# KiCad board FPGA-BOARDver3.kicad_pcb (continued)
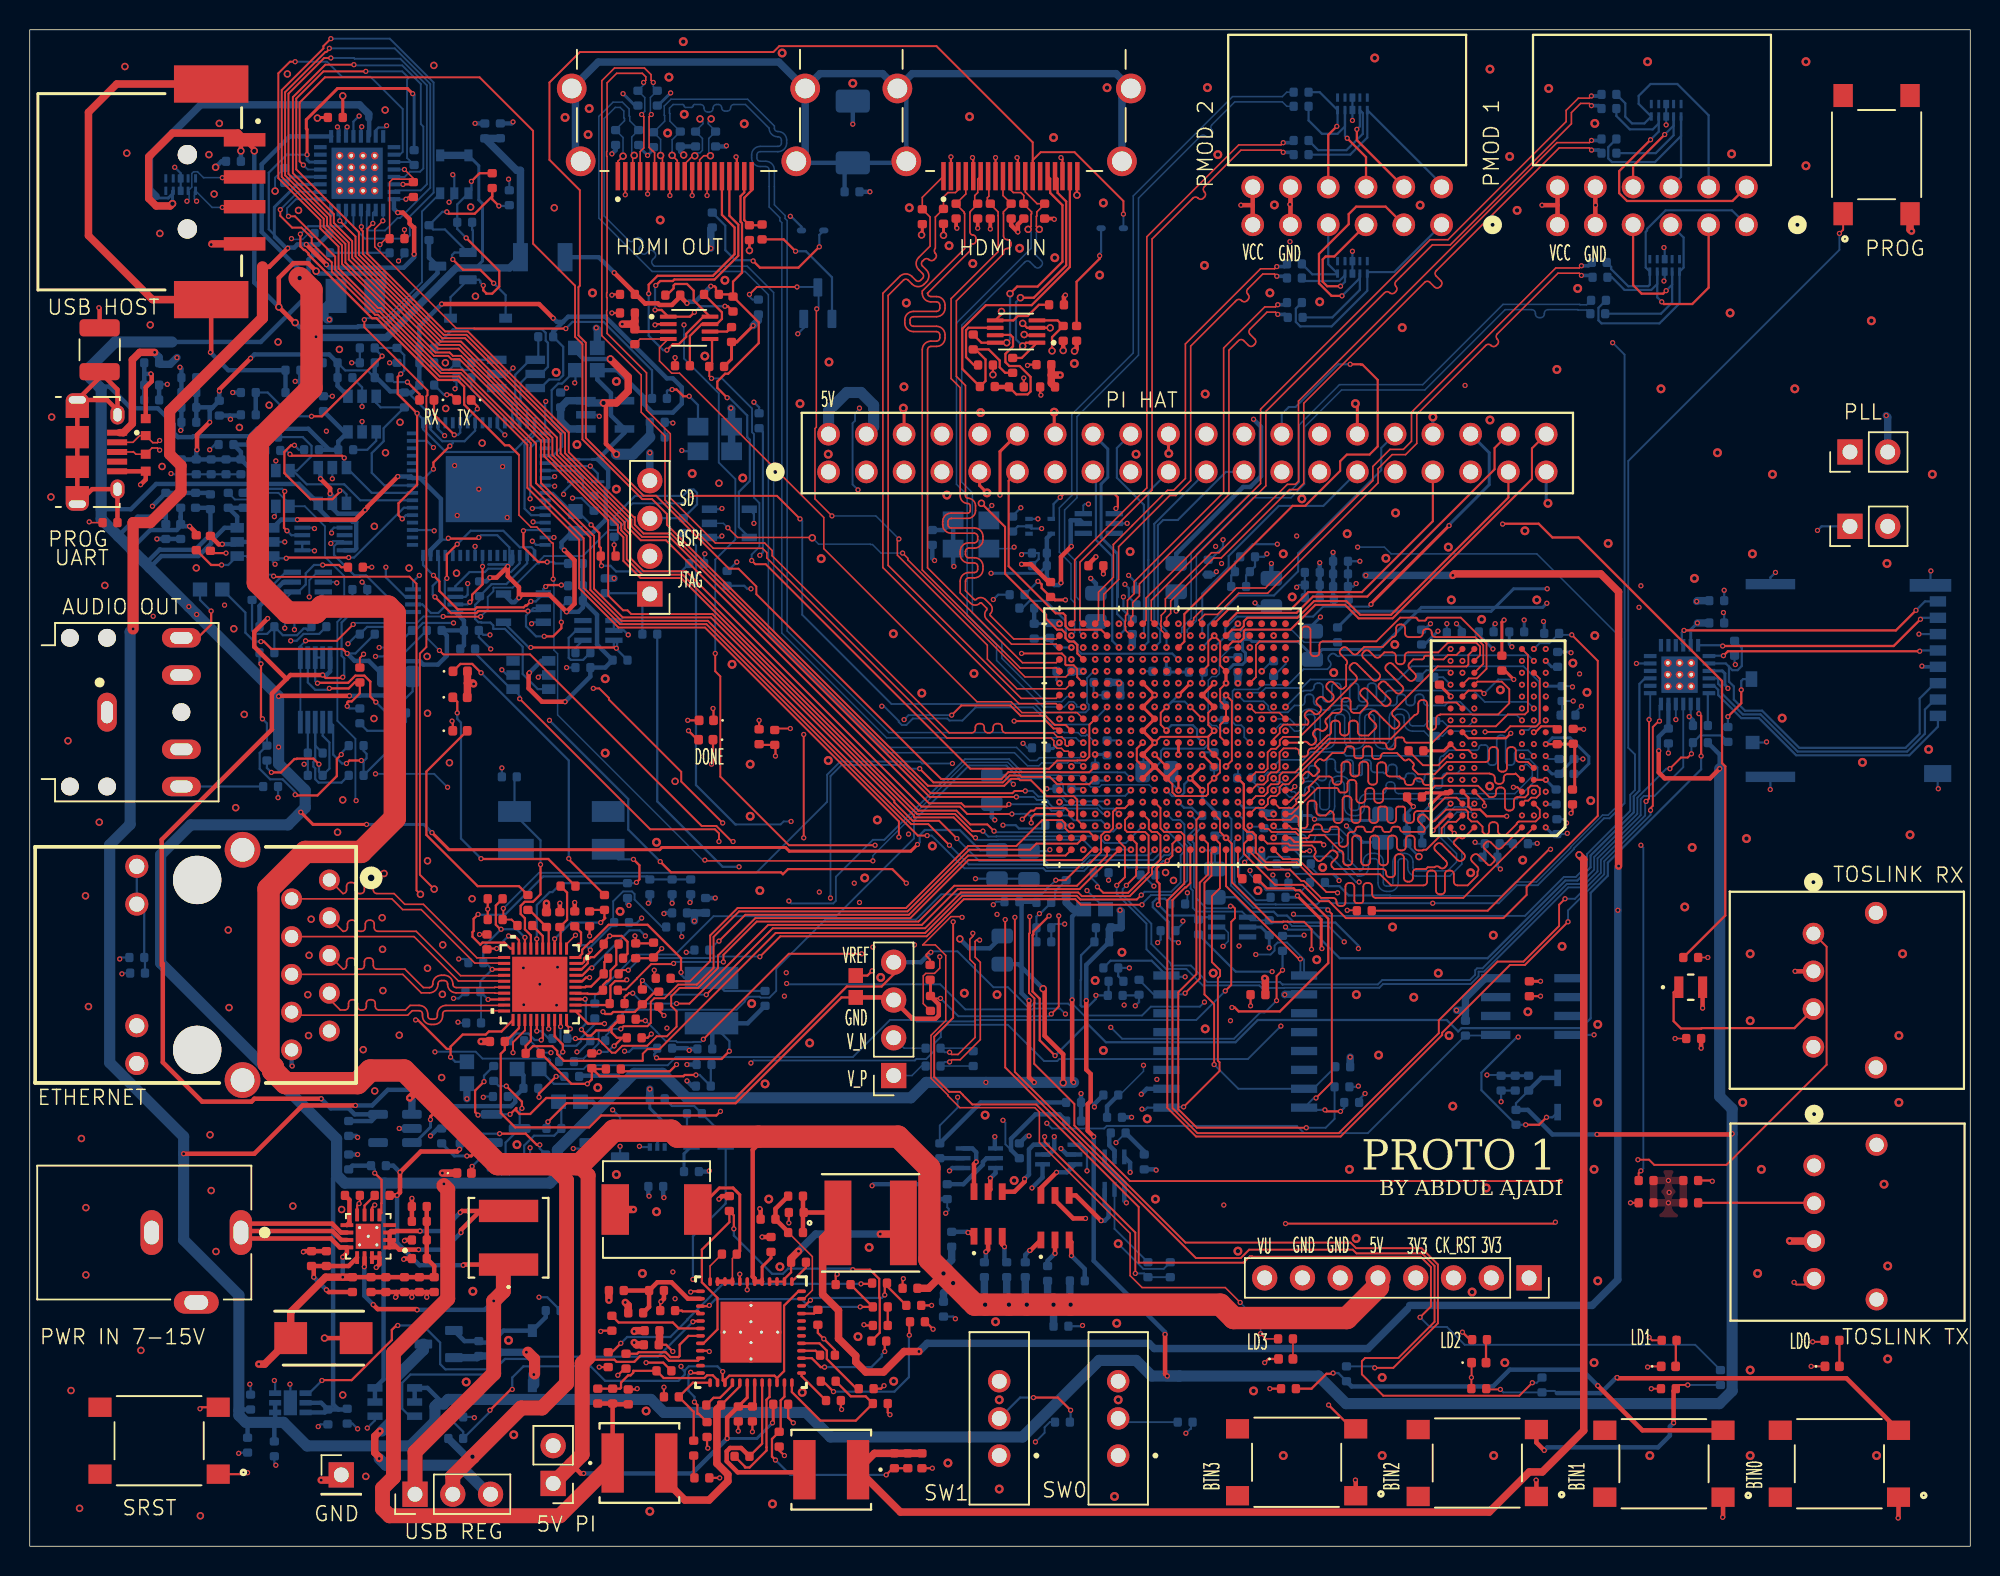
[diagram p0: board, top side]
## Routing (per net, layer and track width the routed paths; a pad name or vN(x,y) marks a point on that pad's centre or on a via; arc(x,y) is an arc through that point) (continued)
  Bottom w0.127: R29.2 78.1,8.25 78.1,7.9 78.05,7.9 v1(77.75,7.6)
SW1: length 195.9
  SIGNAL.Cu w0.126: 50.15,98.8 49.02,99.93
  SIGNAL.Cu w0.127: v1(67.63,7.02) 50.36,7.02 24.39,32.99 24.39,78.8 24.95,79.36 24.95,81.78 24.43,82.29 24.43,88.78 35.58,99.93 49.02,99.93 ; v1(55.8,76.55) 55.8,87.16 50.15,92.81 50.15,98.8 ; v1(55.7,71.05) 57.4,71.05 61.79,66.66 61.79,65.48 67.06,60.2 67.06,59.49 69.47,57.08 69.47,56.25 v1(70.06,55.66)
  Bottom w0.127: v1(55.7,71.05) 55.33,71.42 55.33,75.53 55.5,75.7 55.5,76.2 55.8,76.5 v1(55.8,76.55) ; v1(67.63,7.02) 68.25,7.63 68.25,8 68.6,8.35 R28.2
SYSCLK: length 48.1
  Top w0.127: v1(31.85,42.9) 31.85,42.2 C62.1 32.4,42.15 R171.1
  SIGNAL.Cu w0.127: v1(72.45,52.45) 72.09,52.09 62.61,52.09 v1(62.05,52.65)
  Bottom w0.127: v1(62.05,52.65) 60.01,52.65 59.89,52.78 54.51,52.78 53.62,51.89 53.62,50.07 48.84,45.29 34.24,45.29 v1(31.85,42.9)
TCK: length 94.6
  Top w0.15: v1(58.95,44.6) 58.01,45.54 50.99,45.54 50.65,45.2 50.53,45.32 43.12,45.32 v1(42.4,46.05) ; v1(17.15,70.95) 17.1,70.9 17.1,68.5 v1(17.3,68.3)
  SIGNAL.Cu w0.127: v1(75.85,40.6) 75.8,40.65 71.95,40.65 70.65,39.35 70.5,39.35 70.46,39.31 64.66,39.31 64.41,39.06 60.49,39.06 59.8,39.75 59.8,40.15 v1(59.5,40.45) ; v1(17.3,68.3) 13.34,68.3 12.54,67.5 12.54,63.86 v1(13.1,63.3)
  SIGNAL2.Cu w0.127: v1(58.95,44.6) 58.95,44.4 59.5,43.85 v1(59.5,40.45) ; v1(34.95,55.55) 30.92,55.55 27.4,59.06 22.35,59.06 22.34,59.08 20.12,59.08 19.74,59.46 17.49,59.46 13.65,63.3 v1(13.1,63.3)
  Bottom w0.15: v1(17.15,70.95) 16.98,71.12 14.62,71.12 R231.1 ; v1(34.95,55.55) 40.25,50.25 40.25,48.2 v1(42.4,46.05) ; U46.3 17.6,68 v1(17.3,68.3) ; v1(75.85,40.6) 76.05,40.8 R120.2
TDI: length 73.9
  SIGNAL.Cu w0.127: 46.25,46.47 48.53,46.47 51.36,43.64 53.29,43.64 53.61,43.96 55.14,43.96 v1(55.8,43.3) ; v1(77.25,40.6) 77.25,40.05 74.01,40.05 73.64,40.41 72.71,40.41 71.27,38.97 68.39,38.97 68.02,38.6 60.53,38.6 60.11,39.03 59.59,39.03 59.34,39.28 59.34,39.79 58.61,40.52 56.92,40.52 v1(56.7,40.3)
  SIGNAL.Cu w0.15: 46.25,46.47 36.3,56.42 34.92,56.42 v1(31,60.35) ; v1(30.95,61.3) 30.97,61.3 31.82,62.15 32.05,62.15 32.05,63.05 30.5,64.6 30.2,64.6 29.85,64.95 29.55,64.95 29.45,64.85 v1(29.45,64.75)
  SIGNAL2.Cu w0.127: v1(56.7,40.3) 55.65,41.35 55.65,42.75 55.8,42.9 v1(55.8,43.3)
  Bottom w0.15: R119.2 76.34,43.56 75.78,43.56 75.52,43.31 75.52,42.99 76.42,42.1 76.5,42.1 76.6,42 76.6,40.95 76.85,40.7 77.15,40.7 v1(77.25,40.6) ; U47.6 29.31,63.85 29.45,64 v1(29.45,64.75) ; v1(30.95,61.3) 30.5,61.3 R232.1 30.2,61.15 v1(31,60.35)
TDO: length 89.9
  Top w0.127: v1(46.35,47.4) 46.35,47.95 46.08,48.22 41.73,48.22 v1(32.95,57)
  SIGNAL2.Cu w0.127: v1(46.35,47.4) 46.55,47.2 46.55,46.05 46.74,45.86 46.74,43.34 47.24,42.84 47.24,33.76 v1(48.5,32.5) ; v1(83.6,45.15) 83.6,44.41 86.06,41.95 86.06,40.63 84.8,39.36 84.8,35.65 v1(84.14,34.99)
  Bottom w0.126: 61.27,34.25 61.26,34.25 60.8,33.79 60.8,33.29 60.29,32.77 59.62,32.77 59.52,32.67
  Bottom w0.127: U45.4 32.95,57.2 v1(32.95,57) ; 59.52,32.67 48.67,32.67 v1(48.5,32.5) ; v1(84.14,34.99) 81.92,32.77 69.23,32.77 69.1,32.64 68.21,32.64 65.78,35.07 61.67,35.07 61.27,34.68 61.27,34.25
  Bottom w0.15: R230.1 29.95,60.08 32.38,57.65 U45.4 ; v1(83.6,45.15) 83.65,45.1 R121.2
TMS: length 100.3
  Top w0.127: v1(27.55,60.25) 27.81,59.99 33.65,59.99 45.19,48.45 46.17,48.45 47.22,47.4 v1(47.3,47.4) ; v1(84.25,38.75) 83.85,38.35 v1(83.85,36.7)
  SIGNAL.Cu w0.15: v1(72.7,34.9) 71.8,35.8 v1(69.65,35.8) ; v1(23.25,59.85) 20.28,62.82 20.28,66.02 19.75,66.55 19.75,68.35 20,68.6 22,68.6 23.95,66.65 v1(23.95,65.85)
  SIGNAL2.Cu w0.127: v1(50.9,37.85) 50.39,37.85 47.77,40.46 47.77,43.98 47.3,44.45 v1(47.3,47.4)
  Bottom w0.127: v1(27.55,60.25) 26.7,61.1 R233.1 ; v1(50.9,37.85) 50.95,37.8 61.23,37.8 62.92,36.11 67.44,36.11 67.5,36.16 69.29,36.16 v1(69.65,35.8) ; v1(83.85,36.7) 83.05,35.9 82.75,35.9 80.99,34.14 73.46,34.14 v1(72.7,34.9)
  Bottom w0.15: U47.3 25.26,63.85 23.95,65.17 v1(23.95,65.85) ; R233.1 24.95,59.85 v1(23.25,59.85) ; v1(84.25,38.75) R118.2
UART_RXD: length 116.8
  Top w0.127: v1(80.75,43.05) 80.9,43.05 81.05,42.9 81.05,42.25 80.8,42 80.8,37.75 v1(80.4,37.35)
  SIGNAL2.Cu w0.127: v1(27.25,33.25) 27.25,43.46 23.01,47.7 23.01,49.09 v1(21.95,50.15)
  Bottom w0.127: v1(27.25,33.25) 27.26,33.26 29.99,33.26 30.45,32.8 34.9,32.8 35,32.7 35,32.4 35.3,32.1 37.24,32.1 37.49,32.35 42.9,32.35 43.45,32.9 55.35,32.9 57.85,35.4 59.55,35.4 59.65,35.3 63.5,35.3 63.6,35.4 78.45,35.4 v1(80.4,37.35) ; v1(80.75,43.05) 80.61,42.91 79.12,42.91 78.44,43.59 78.44,44.19 78.29,44.34 78.29,47.28 78.2,47.38 78.2,47.75 78.75,48.3 78.75,48.35 v1(78.86,48.46) ; R224.1 13.79,70.41 14.65,70.41 15.09,70.85 16.72,70.85 17.5,70.07 U42.4 18.5,69.95 19.85,68.6 19.85,66.55 21.15,65.25 21.15,62.64 20.69,62.17 20.69,55.52 21.9,54.31 21.9,50.2 v1(21.95,50.15)
UART_TXD: length 114
  Top w0.127: v1(16.4,65.25) 16.45,65.2 22.19,65.2 22.2,65.21 25.54,65.21 26.01,64.74 26.01,44.12 v2(26.28,43.85)
  Top w0.15: v1(12.9,66) 12.2,66 R221.1
  SIGNAL.Cu w0.127: v2(26.28,43.85) 26.24,43.81 26.24,35.96 30,32.2 42.49,32.2 49.74,39.45 56.84,39.45 57.68,40.29 58.52,40.29 59.11,39.7 59.11,39.19 59.5,38.8 60.01,38.8 60.76,38.05 62.76,38.05 62.83,37.98 67.72,37.98 68.48,38.74 73.28,38.74 73.8,39.26 77.2,39.26 80.39,42.45 80.39,43.2 80.9,43.71 80.9,46.79 81.62,47.5 81.62,48.08 v1(81.25,48.45)
  Bottom w0.127: v1(16.4,65.25) 16.3,65.35 15.8,65.35 14.55,66.6 U39.4
  Bottom w0.15: U39.4 13.35,66 v1(12.9,66)
USB_SHIELD: length 38
  Top w0.3: J15.S2 12.2,80.35 v1(12.15,80.3)
  Top w0.5: J15.S2 8.25,83.85 3.95,88.15 3.95,96.45 5.85,98.35 J15.S1
  Bottom w0.3: R198.1 C181.1 13.35,79.1 v1(12.15,80.3)
USB_VCC5V0: length 16.3
  Top w0.15: C182.2 30.25,92.35 v1(29.7,91.8) ; v1(29.35,88) 31.58,85.77 31.58,84.72 31.1,84.25 30.7,84.25 30.7,84.27 30.5,84.47 v1(30.5,84.8)
  Bottom w0.15: v1(29.35,88) 28.75,88.6 R200.1 28.75,90.25 U25.1 29.7,91.2 v1(29.7,91.8) ; CR3.1 28.3,84.01 Q10.2 30.22,85.18 30.3,85.1 30.3,85 v1(30.5,84.8)
USBHOST_CLK: length 104.8
  Top w0.127: v1(61.85,47.15) 60.43,48.57 59.28,48.57 45.6,62.25 39.78,62.25 37.7,64.33 37.7,67.85 34.05,71.5 34.05,74.16 29.07,79.14 27.76,79.14 23.61,83.29 23.43,83.29 20.77,85.95 20.77,87.41 19.54,88.64 19.54,89.19 16.72,92.02 16.72,99.07 17.5,99.85 v1(17.85,99.85)
  Bottom w0.127: U26.26 24.9,93.6 25.08,93.78 25.08,96.67 22.91,98.84 21,98.84 19.99,99.85 v1(17.85,99.85) ; v1(61.85,47.15) 63.14,45.86 68.22,45.86 68.43,45.65 70.81,45.65 71.31,46.15 75.55,46.15 76.24,46.84 v1(76.46,46.84)
USBHOST_DATA0: length 111.8
  Top w0.127: v1(20.15,100.75) 20.15,100.7 19.95,100.5 19.88,100.5 17.17,97.79 17.17,92.21 20,89.38 20,88.83 21.23,87.59 21.23,86.34 27.28,80.29 28.24,80.29 28.46,80.06 29,80.06 34.61,74.46 34.61,73.3 38.9,69.01 38.9,63.95 39.9,62.95 40.2,62.95 40.45,62.7 45.91,62.7 59.47,49.14 59.47,49.02 62.13,49.02 63.51,47.65 v1(63.6,47.65)
  Bottom w0.127: v1(74.06,46.86) 71.5,46.86 70.84,47.52 65.11,47.52 65.09,47.51 63.74,47.51 v1(63.6,47.65) ; U26.3 22.66,89.77 22.66,88.64 22.8,88.5 23.9,88.5 24.74,89.34 24.9,89.34 26.93,91.37 26.93,98.36 24.54,100.75 v1(20.15,100.75)
USBHOST_DATA1: length 70.7
  Top w0.127: v1(66.35,50.4) 60.51,50.4 43.03,67.89 41.19,67.89 40.46,68.62 40.46,69.06 36,73.51 36,74.85 29.37,81.48 27.84,81.48 22.4,86.92 22.4,88.45 22.3,88.55 v1(22.3,88.75)
  Bottom w0.127: v1(66.35,50.4) 67.53,50.4 67.73,50.2 68.4,50.2 68.5,50.1 68.5,50 68.8,49.7 69.39,49.7 69.54,49.85 71.9,49.85 72.13,49.61 72.89,49.61 v1(73.24,49.27) ; v1(22.3,88.75) 22.3,89.84 U26.4
USBHOST_DATA2: length 118.2
  Top w0.127: v1(62.35,47.6) 61.15,48.8 59.38,48.8 58.14,50.03 58.14,50.14 45.81,62.47 39.88,62.47 37.95,64.4 37.95,67.95 34.38,71.52 34.38,74.36 28.91,79.84 28.37,79.84 28.14,80.06 27.19,80.06 21,86.25 21,87.5 19.77,88.73 19.77,89.29 16.95,92.11 16.95,97.94 19.75,100.74 19.75,100.9 v1(20.25,101.4)
  Bottom w0.127: v1(20.25,101.4) 24.21,101.4 27.16,98.45 27.16,91.05 25.56,89.45 25.56,88.16 25.35,87.95 22.55,87.95 21.77,88.73 U26.5 ; v1(62.35,47.6) 63.86,46.09 68.31,46.09 68.52,45.88 70.71,45.88 71.31,46.47 75.27,46.47 v1(75.65,46.86)
USBHOST_DATA3: length 93.2
  Top w0.1: 32.9,73.4 32.9,69.36 33.71,68.55 34.1,68.55 34.9,67.75 34.9,67.71 35.11,67.5 35.15,67.5 35.2,67.45 v1(35.2,65.05) ; v1(56.7,46.1) 45.45,46.1 v1(45.4,46.15) ; 32.25,74.05 32.2,74.05
  Top w0.15: 32.2,74.05 31.95,74.05 29.22,76.79 29.22,78 28.77,78.44 27.47,78.44 23.32,82.59 23.03,82.59 18.75,86.87 18.75,86.95 18.52,87.18 18.44,87.18 18.2,87.43 v1(18.2,88.25) ; 32.9,73.4 32.25,74.05
  Bottom w0.1: v1(75.65,50.84) 75.28,51.21 73.1,51.21 73.1,51.21 72.09,51.21 71.94,51.07 71.36,51.07 70.58,51.84 69.2,51.84 69.18,51.86 66.64,51.86 65.77,52.73 62.98,52.73 56.7,46.44 v1(56.7,46.1) ; v1(35.2,65.05) 35.25,65 35.25,60.28 35.5,60.03 35.5,55.91 45.26,46.15 v1(45.4,46.15)
  Bottom w0.15: v1(18.2,88.25) 18.73,88.78 20.42,88.78 20.43,88.77 21.01,88.77 21.27,89.04 U26.6
USBHOST_DATA4: length 71.9
  Top w0.127: v1(20.85,89.15) 21.91,88.09 21.91,86.76 27.64,81.03 29,81.03 35.45,74.58 35.45,73.42 40.01,68.87 40.01,68.43 40.4,68.03 40.4,66.46 41.28,65.58 44.15,65.58 59.98,49.75 62.55,49.75 63.05,49.25 v1(66.05,49.25)
  Bottom w0.127: v1(66.05,49.25) 66.59,49.25 66.6,49.26 67.09,49.26 67.2,49.15 69.89,49.15 70.21,48.83 72.05,48.83 v1(72.44,48.44) ; U26.7 20.85,89.79 v1(20.85,89.15)
USBHOST_DATA5: length 86
  Top w0.127: v1(60.35,47.8) 59.73,47.8 45.51,62.02 39.69,62.02 37.25,64.46 37.25,67.8 33.69,71.36 33.69,74.19 28.97,78.91 27.66,78.91 23.51,83.06 23.34,83.06 20.54,85.86 20.54,86.74 17.84,89.45 v1(17.4,89.45)
  Bottom w0.127: v1(77.25,46.85) 76.95,46.85 76.82,46.72 76.82,46.69 76.61,46.48 76.28,46.48 75.45,45.65 73.85,45.65 73.7,45.8 71.28,45.8 70.9,45.42 68.34,45.42 68.16,45.6 62.86,45.6 60.66,47.8 v1(60.35,47.8) ; v1(17.4,89.45) 17.3,89.55 17.3,90 17.9,90.6 U26.9
USBHOST_DATA6: length 85.8
  Top w0.127: v1(16.85,89.9) 16.85,89.49 17.65,88.69 18.27,88.69 18.96,88 18.96,87.64 20.04,86.56 20.1,86.56 20.31,86.35 20.31,85.74 23.22,82.83 23.42,82.83 27.57,78.68 28.87,78.68 33.47,74.08 33.47,71.18 36.95,67.7 36.95,64.44 39.59,61.79 45.41,61.79 58.45,48.76 v1(58.45,47.7)
  SIGNAL.Cu w0.127: v1(74.84,50.06) 74.46,49.68 67.02,49.68 66.39,49.05 66.39,48.86 65.2,47.67 65.2,47.6 64.85,47.25 62.64,47.25 62.03,46.64 59.36,46.64 58.45,47.55 v1(58.45,47.7)
  Bottom w0.127: v1(16.85,89.9) 18.05,91.1 U26.10
USBHOST_DATA7: length 91.7
  Top w0.127: v1(18.4,92.9) 18.15,93.15 18.15,97.1 19.85,98.8 30.25,98.8 33.85,95.2 33.85,87.61 36.67,84.79 36.67,81.35 37.17,80.85 37.17,74.45 41.19,70.43 41.85,70.43 42.85,69.43 42.85,68.71 60.41,51.15 65.54,51.15 66,51.61 66.51,51.61 66.6,51.52 67.33,51.52 68.04,50.81 68.04,50.8 68.39,50.45 70.2,50.45 70.44,50.21 70.44,48.86 U1.C18
  Bottom w0.127: v1(18.4,92.9) 18.7,92.6 U26.13
USBHOST_DIR: length 105
  Top w0.127: v1(64.1,48.1) 63.38,48.1 62.23,49.25 59.68,49.25 43.81,65.12 41.08,65.12 39.92,66.28 39.92,67.87 39.55,68.24 39.55,68.68 34.89,73.34 34.89,74.49 28.83,80.55 27.45,80.55 21.45,86.55 21.45,87.69 20.22,88.92 20.22,89.48 17.4,92.3 17.4,97.7 19.8,100.1 v1(20.25,100.1)
  Bottom w0.127: U26.31 24.59,91.19 26.29,91.19 26.71,91.61 26.71,98.26 24.92,100.05 21.85,100.05 21.8,100.1 v1(20.25,100.1) ; v1(74.85,48.45) 73.7,47.3 72.3,47.3 71.85,47.75 65.01,47.75 65,47.74 64.46,47.74 v1(64.1,48.1)
USBHOST_N: length 24.6
  Top w0.104: v1(12.95,92.05) 13,92.1 J15.02
  SIGNAL2.Cu w0.104: 21.2,94.55 21.2,95.31 v1(21.34,95.46)
  SIGNAL2.Cu w0.11: v1(10.57,90.47) 10.72,90.32 10.72,89.83 11.88,88.67 18.73,88.67 19.63,89.57 19.63,92.97 21.2,94.54 21.2,95.31 v1(21.34,95.46)
  Bottom w0.1: 11.05,92.45 11.02,92.45 10.9,92.33 10.9,91.41 U35.2
  Bottom w0.104: v1(10.57,90.47) 10.72,90.62 10.72,90.95 10.72,90.95 10.72,91.09 U35.2 ; U26.19 21.2,94.9 21.2,95.31 v1(21.34,95.46) ; v1(12.95,92.05) 11.68,92.05 11.28,92.45 11.05,92.45
USBHOST_NXT: length 69.4
  Top w0.127: v1(23.08,88.97) 22.7,88.6 22.7,86.94 27.93,81.71 29.46,81.71 36.25,74.92 36.25,73.59 40.62,69.21 40.69,69.21 40.69,68.71 41.28,68.12 43.12,68.12 60.59,50.65 66.09,50.65 66.24,50.8 v1(66.95,50.8)
  Bottom w0.127: U26.2 23.08,89.68 v1(23.08,88.97) ; v1(66.95,50.8) 67.45,50.8 67.83,50.42 69.39,50.42 69.72,50.1 72.4,50.1 v1(72.45,50.05)
USBHOST_OC: length 126.8
  Top w0.127: v1(22.5,82.5) 22.5,81.99 26.75,77.74 26.75,77.43 26.67,77.35 26.67,60.48 26.24,60.04 26.24,45.16 v2(27.2,44.2)
  SIGNAL.Cu w0.127: v1(80.45,48.45) 80.5,48.45 80.85,48.1 80.85,47.06 80.67,46.88 80.67,44.37 77.35,41.05 71.77,41.05 70.93,40.21 70.75,40.21 70.08,39.54 62.61,39.54 62.52,39.45 61.51,39.45 61.35,39.29 60.75,39.29 60.24,39.8 60.24,40.51 59.63,41.12 51.09,41.12 42.39,32.43 30.12,32.43 27.2,35.35 v2(27.2,44.2)
  Bottom w0.127: U25.3 26.38,89.78 26.38,85.03 24,82.65 23.65,82.65 23.6,82.6 22.6,82.6 v1(22.5,82.5)
USBHOST_P: length 22.1
  Top w0.104: J15.03 14.4,90.05 v1(12.95,90.05)
  Top w0.127: J15.03 14.35,90.1
  SIGNAL2.Cu w0.104: 20.84,94.69 20.84,95.31 v1(20.69,95.46)
  SIGNAL2.Cu w0.11: v1(11.22,90.47) 11.08,90.32 11.08,89.98 12.02,89.03 18.58,89.03 19.27,89.72 19.27,93.12 20.84,94.69 20.84,95.31 v1(20.69,95.46)
  Bottom w0.104: U26.18 20.84,94.9 20.84,95.31 v1(20.69,95.46) ; v1(11.22,90.47) 11.07,90.62 11.07,90.81 11.08,90.82 11.08,91.09 U35.1 12.27,90.05 v1(12.95,90.05)
USBHOST_RCLK: length 27.1
  Top w0.1: v1(23.75,89.15) 23.2,88.6 23.2,87.41 28.68,81.92 29.88,81.92 29.9,81.9
  Top w0.15: 29.9,81.9 v1(36.05,81.9)
  Bottom w0.1: U26.1 23.77,89.17 v1(23.75,89.15)
  Bottom w0.15: 41.85,77.15 41.85,79.09 38.59,82.35 36.5,82.35 v1(36.05,81.9)
USBHOST_RESETN: length 95.5
  Top w0.127: v1(65.85,49.9) 65.7,49.75 62.87,49.75 62.65,49.97 60.48,49.97 42.79,67.66 41.09,67.66 40.23,68.52 40.23,68.96 35.7,73.49 35.7,74.83 29.27,81.25 27.75,81.25 22.14,86.86 22.14,88.39 17.92,92.61 17.92,97.37 19.75,99.2 v1(22.6,99.2)
  Bottom w0.127: v1(65.85,49.9) 65.86,49.91 68.27,49.91 68.71,49.47 69.49,49.47 69.64,49.62 71.8,49.62 72.08,49.35 72.17,49.25 v1(72.45,49.25) ; U26.27 25.65,93.1 R203.1 25.38,93.37 25.38,98.65 25.49,98.76 25.05,99.2 v1(22.6,99.2)
USBHOST_STP: length 100.1
  Top w0.127: v1(21.8,99.65) 19.88,99.65 17.7,97.47 17.7,92.35 20.45,89.6 20.45,89.01 21.68,87.78 21.68,86.67 27.55,80.8 28.91,80.8 35.15,74.56 35.15,73.4 39.78,68.77 39.78,68.33 40.15,67.96 40.15,66.39 41.19,65.35 43.9,65.35 59.77,49.48 62.32,49.48 63.25,48.55 64.4,48.55 v1(64.85,48.1)
  Bottom w0.127: U26.29 25.21,92.1 25.56,92.45 26.25,92.45 26.47,92.67 26.47,95.49 26.3,95.66 26.3,98.35 25.05,99.6 21.85,99.6 v1(21.8,99.65) ; v1(73.25,48.45) 72.88,48.08 69.77,48.08 69.72,48.03 64.92,48.03 v1(64.85,48.1)
USBHOST_VBUS: length 75.6
  Top w0.3: v2(14.2,93.85) 14.2,94.35 J15.01 15.1,93.95 v2(15.1,93.85) ; v2(17.85,82.3) 17.8,82.3 v2(16.75,83.35) 16.75,85.31 17.74,86.3 18.72,86.3 v2(19.26,85.76)
  Top w0.5: J15.01 14,95.05 9.6,95.05 8,93.45 8,90.65 8.5,90.15 9.45,90.15 v2(9.6,90.3)
  Bottom w0.2: 22.8,96.05 22.83,96.02 ; v2(9.6,90.3) 9.6,91.11 U35.4 9.64,91.16 9.64,91.01 9.32,90.68 8.62,90.68 8.5,90.8 ; 22.83,94.88 U26.22
  Bottom w0.3: C180.1 23.85,84.75 23.85,85.51 23.76,85.6 19.42,85.6 v2(19.26,85.76) ; 22.83,96.02 22.83,94.88 ; v2(15.1,93.85) 15.1,85 v2(16.75,83.35) ; C185.2 v2(14.2,93.85) ; C183.2 26.85,86.67 Q10.3 27.42,85.63 23.84,82.05 22.1,82.05 22.05,82 18.15,82 v2(17.85,82.3)
  Bottom w0.5: 8.5,90.8 8.05,91.25 8.05,93.5 11.5,96.95 22.18,96.95 22.8,96.33 22.8,96.05
V_N: length 38.6
  Top w0.104: v1(63.42,41.23) 63.42,41.02 63.22,40.82 63.22,39.48 63.57,39.13 63.57,34.22 62.43,33.08 62.01,33.08 v1(61.86,33.22)
  SIGNAL.Cu w0.11: v1(63.42,41.23) 63.63,41.23 63.91,41.51 65.36,41.51 65.62,41.26 69.93,41.26 71.05,42.38 74.89,42.38 75.15,42.64 75.15,42.99 75.15,43 75.15,43.45 75.95,44.25 75.95,44.61 76.38,45.04 v2(76.38,45.32)
  SIGNAL2.Cu w0.11: v2(76.38,45.32) 76.66,45.32 77.05,45.7 77.05,46.55 76.9,46.7 76.9,47 77.05,47.15 77.05,48.15 76.9,48.3 76.9,50.97 77.05,51.12 77.05,52.94 76.89,53.1 76.89,53.39 77.05,53.55 77.05,54.08 77.26,54.29 v1(77.26,54.85)
  Bottom w0.104: R123.2 63.25,33.5 C16.2
  Bottom w0.126: v1(61.86,33.22) 61.52,33.22 R123.2
V_P: length 39
  Top w0.104: v1(63.88,40.77) 63.67,40.77 63.58,40.68 63.58,39.62 63.93,39.27 63.93,34.08 62.57,32.72 62.01,32.72 v1(61.86,32.57)
  SIGNAL.Cu w0.11: v2(76.92,44.78) 76.64,44.78 76.31,44.46 76.31,44.1 75.51,43.3 75.51,42.85 75.5,42.84 75.5,42.49 75.04,42.02 71.2,42.02 70.08,40.9 65.47,40.9 65.22,41.16 64.06,41.16 63.88,40.98 v1(63.88,40.77)
  SIGNAL2.Cu w0.11: v2(76.92,44.78) 76.92,45.06 77.4,45.55 77.4,46.5 77.6,46.7 77.6,47 77.4,47.2 77.4,48.1 77.62,48.31 77.62,50.98 77.41,51.19 77.4,51.19 77.4,52.9 77.6,53.1 77.6,53.39 77.4,53.59 77.4,53.93 77.51,54.04 v1(78.05,54.04)
  Bottom w0.104: R122.2 C16.1
  Bottom w0.126: R122.2 61.52,32.57 v1(61.86,32.57)
VCFG0: length 33.9
  Top w0.127: U1.D8 78.46,48.86 78.46,38.47 77.24,37.25 77.24,29.4 78.49,28.15 v1(85.85,28.15)
  Bottom w0.127: v1(85.85,28.15) 87.15,28.15 87.75,28.75 R37.2
VIDEO_SHIELD: length 71
  Bottom w0.3: C52.1 54.8,92.5 R153.2 ; C52.1 51.65,93.05 J10.SH1 ; C52.1 58.85,93.05 J11.SH2 58.95,97.45 J11.SH4
  Bottom w0.5: J10.SH3 52.15,93.75 J10.SH1 ; J10.SH3 53.15,99.05 57.35,99.05 J11.SH4 59.35,99.05 73.05,99.05 J11.SH3 73.45,97.45 J11.SH1 ; J10.SH3 50.38,99.82 38.23,99.82 J10.SH4 36.7,97.8 36.7,93.5 J10.SH2
VREF0V9: length 41.2
  SIGNAL2.Cu w0.127: v1(76.46,50.03) 76.52,50.03 75.94,49.45 76.01,49.39 76.01,49.08 75.6,48.68 75.6,47.4 75.78,47.22 75.8,47.22 76.02,47.01 76.02,46.62 75.7,46.3 75.7,45.36 76.89,44.17 76.89,35.71 80.9,31.7 v1(98,31.7)
  Bottom w0.127: C8.1 98.9,31.7 v1(98,31.7)
  Bottom w0.2: C8.1 R19.1 R18.2
VU: length 132.3
  Top w0.3: v1(21.05,19.45) 21.33,19.73 U14.12 20.85,20.1 20.25,20.7 14.6,20.7 J1.1 ; J1.1 14.3,21.2 20.35,21.2 20.95,20.6 U14.11 ; J1.1 14.8,21.7 20.33,21.7 20.93,21.1 U14.10 ; C193.1 C192.1 C197.1 C196.1 27.2,18.85 C30.1 C194.1 C195.1 C199.1 C198.1 R90.1
  Top w0.5: v1(15.4,12.25) 15.8,12.25 D37.1 17.55,15.75 19.9,18.1 v1(21.05,18.1) R90.1
  SIGNAL2.Cu w0.5: J7.8 82.8,17.8 63.95,17.8 61.6,15.45 52.2,15.45 52,15.25 52,15 40.03,3.03 33.58,3.03 31.85,4.75 30.05,4.75 29.79,4.49 29.79,3.14 28.95,2.3 24.15,2.3 22.9,3.55 15.25,3.55 13.5,5.3 13.5,10.38 15.37,12.25 v1(15.4,12.25)
  Bottom w0.3: v1(21.05,19.45) v1(21.05,18.1)
XADC1v8: length 34.6
  Top w0.1: v1(61.2,39.65) 61.2,38.89 60.84,38.53 60.26,38.53 60.09,38.36 60.09,36.49 C13.1
  SIGNAL.Cu w0.1: v1(61.2,39.65) 61.3,39.75 69.99,39.75 70.66,40.43 70.84,40.43 71.69,41.27 75.98,41.27 77.6,42.9 77.6,43.71 77.5,43.81 77.5,44.09 78,44.59 78,46.44 77.83,46.61 77.83,47.77 77.6,48 77.6,49.32 77.98,49.7 78.19,49.7 79.21,50.71 79.21,51.78 79,51.99 78.71,51.99 78.39,52.31 78.39,52.91 v1(78.05,53.25)
XADC1V8: length 10.3
  Bottom w0.15: 31.08,25.57 C32.1 ; 31.08,25.67 31.73,25.02 32.27,25.02 33.25,25.99 33.25,26.95 33.92,27.61 35.27,27.61 C26.1 35.75,29.71 FL2.2
  Bottom w0.3: U16.1 31.08,25.67
XADC_V_N: length 2.4
  Bottom w0.104: J6.2 58.8,33.5 R123.1
XADC_V_P: length 2.4
  Bottom w0.104: R122.1 59.97,32.3 59.33,31.66 J6.1
XADCGND: length 73.4
  Top w0.127: C13.2 60.73,36.85 v1(61.25,36.85) ; v1(68.7,35.8) 69.2,36.3 v1(69.2,42.4)
  Top w0.15: v1(32.05,30.95) 33.1,29.9 v1(33.1,29.45) ; v1(34.85,28.55) 36.1,29.8 47.48,29.8 54.59,36.91 FL5.2
  Top w0.2: U1.J10 U1.K10 ; C13.2 60.58,38.07 C12.2
  Top w0.3: FL5.2 57.92,36.91 J6.3 59.36,35.48 60.91,35.48 61.14,35.7 61.14,36.45 C13.2
  SIGNAL.Cu w0.127: v1(77.24,53.24) 76.89,52.89 76.89,50.67 76.61,50.39 76.28,50.39 74.49,48.6 74.49,48.13 69.2,42.84 v1(69.2,42.4)
  Bottom w0.127: v1(61.25,36.85) 62.45,35.65 68.55,35.65 v1(68.7,35.8)
  Bottom w0.15: v1(34.85,28.55) 34.75,28.45 C26.2 U16.3 ; U16.3 32.95,29.3 v1(33.1,29.45) ; U16.3 32,27.15 C32.2 ; C18.2 31.55,30.95 v1(32.05,30.95)
XADCVREF: length 80.6
  Top w0.127: C12.1 60.55,39.45 60.3,39.7 60.3,39.8 60.45,39.95 v1(60.6,39.95)
  Top w0.15: v1(30.15,29) 29.95,29.2 29.95,30.65 v1(30.55,31.25) ; v1(32.3,29.05) 32.73,29.47 32.73,29.29 32.94,29.07 33.66,29.07 34.73,30.15 47.45,30.15 54.95,37.65 57.29,37.65 58.1,38.46 J6.4
  SIGNAL2.Cu w0.127: v1(78.06,54.85) 78.06,54.69 78.47,54.28 78.47,50.74 79.05,50.16 79.05,49.25 79.25,49.05 79.25,38.87 79.12,38.74 79.12,38.36 79.25,38.23 79.25,36.85 v1(79,36.6)
  Bottom w0.127: v1(60.6,39.95) 60.66,40.01 62.39,40.01 64.81,37.6 65.79,37.6 67.05,36.34 67.35,36.34 67.51,36.5 69.84,36.5 69.95,36.39 70.21,36.39 70.9,35.7 74.8,35.7 75.4,36.29 78.69,36.29 v1(79,36.6)
  Bottom w0.15: C18.1 30.55,31.65 v1(30.55,31.25) ; v1(32.3,29.05) U16.2 30.2,29.05 v1(30.15,29)
  Bottom w0.3: v1(60.6,39.95) 59.93,39.28 J6.4
Net-(C27-Pad2): length 7.8
  Bottom w0.15: 30.3,13.7 C27.2
  Bottom w0.3: 30.3,13.7 R83.2 31.3,13.95 31.85,14.5 CR4.2 34.7,15.4 R84.1 ; C27.2 29.24,13.8 Q7.1
Net-(C147-Pad2): length 19.7
  Top w0.15: C147.2 39.15,13.05 v1(39.75,13.65) ; v1(55.9,17.65) 56.6,17.65 R97.1
  Bottom w0.15: v1(39.75,13.65) 40.17,14.07 43.08,14.07 44.23,15.22 44.23,15.26 46.62,17.65 v1(55.9,17.65)
Net-(C150-Pad2): length 1.2
  Top w0.15: C150.2 R98.1
Net-(C152-Pad2): length 10.4
  Top w0.15: v1(59.15,14.2) 59.15,15.05 C152.2 ; v1(54.05,10.4) 53.35,11.1 R101.1
  Bottom w0.15: v1(54.05,10.4) 58.15,10.4 59.13,11.38 59.13,14.17 v1(59.15,14.2)
Net-(C158-Pad2): length 1.5
  Top w0.15: R100.1 44.65,4.65 C158.2
Net-(C175-Pad1): length 17.2
  Top w0.15: v1(15.65,55.65) 15.55,55.75 v1(15.55,59.35) ; v1(20.95,53.25) 20.65,52.95 20.65,51.8 19.35,50.5 17.98,50.5 17.93,50.55 v1(17.85,50.55)
  Bottom w0.15: v1(15.65,55.65) 15.95,55.35 R12.1 15.47,53.36 15.47,52.28 16.17,51.58 17,51.58 17.85,50.74 v1(17.85,50.55) ; v1(15.55,59.35) 15.45,59.45 R11.2 ; v1(20.95,53.25) 20.95,53.35 C175.1
Net-(C175-Pad2): length 10
  Top w0.15: v1(22.3,52.85) 21.5,52.85 v1(21.3,52.65)
  Bottom w0.15: C175.2 22.45,53.5 22.65,53.3 22.65,53 22.5,52.85 v1(22.3,52.85) 22.45,52.7 R16.2 24.45,53.85 R194.2 ; U10.1 20.41,55.22 20.41,53.24 21,52.65 v1(21.3,52.65)
Net-(C178-Pad1): length 4.2
  Bottom w0.15: R195.2 22.7,54.85 R194.1 25.3,55.45 C178.1
Net-(C179-Pad2): length 16.5
  Top w0.15: v1(15.55,60.85) 15.75,60.85 16.25,60.35 21.05,60.35 v1(21.35,60.05)
  Bottom w0.15: v1(15.55,60.85) 15.1,60.85 14.5,61.45 14.5,62.8 F2.1 ; v1(21.35,60.05) 21.9,60.05 R196.2
  Bottom w0.3: v1(21.35,60.05) 21.85,59.55 22.8,59.55 C179.2
Net-(C182-Pad1): length 20.9
  Top w0.15: v1(28.45,86.55) 29.15,85.85 30.3,85.85 v1(31.2,84.95) ; v1(28.05,89.75) 28.17,89.62 29.92,89.62 31.1,90.8 C182.1 31.1,90.6 v1(31.55,90.15)
  Bottom w0.15: v1(28.45,86.55) 28.4,86.6 28.4,86.85 28.56,87.02 Q10.1 ; Q10.1 29.8,87.34 29.8,88.5 29.75,88.55 R200.2 ; Q10.1 27.92,88.56 27.14,88.56 C183.1 27.75,89.75 v1(28.05,89.75) ; v1(31.55,90.15) 32.2,90.15 R199.1 ; v1(31.2,84.95) 32,84.15 CR3.2
Net-(C190-Pad2): length 14.1
  Top w0.1: v1(25.2,92.6) 25.8,92 R204.1 25.6,91.95 24.4,91.95 24.2,91.75 C190.2 23.95,87.95 v1(23.55,87.55)
  Top w0.15: R204.1 25.65,91.6 v1(25.1,91.6)
  Bottom w0.1: U26.28 v1(25.2,92.6) ; 23.65,87 23.55,87.1 v1(23.55,87.55)
  Bottom w0.15: R205.1 24.19,87 C191.2 ; U26.30 v1(25.1,91.6)
Net-(CR5-OUTPUT): length 4.5
  Top w0.15: v1(44.35,77.35) 43.95,77.35 43.5,77.8 v1(43.2,77.8)
  Bottom w0.15: v1(44.35,77.35) 44.94,76.76 CR5.3 ; v1(43.2,77.8) 43.15,77.75 42.9,77.75 42.85,77.7 R201.1
Net-(D1-A): length 1.3
  Top w0.1: D1.2 R1.2
Net-(D4-A): length 1.6
  Top w0.15: R2.2 97.94,13.84 D4.2
Net-(D5-A): length 2
  Top w0.127: 110.7,12.11 D5.2
  Top w0.15: 110.7,14.1 110.7,12.11
Net-(D6-A): length 1.8
  Top w0.15: D6.2 R14.2
Net-(D7-BA): length 2
  Top w0.3: v1(67.25,19.9) 67.3,19.9 D7.1
  Bottom w0.3: v1(67.25,19.9) 66.95,19.6 R30.2
Net-(D7-BK): length 3.4
  Top w0.3: v1(69.05,25.15) 68,24.1 D7.6
  Bottom w0.3: U32.6 69.75,25.15 v1(69.05,25.15)
Net-(D7-GA): length 3.2
  Top w0.3: v1(70.05,19.55) 70.05,20.45 D7.3
  Bottom w0.3: R32.2 70.95,18.65 v1(70.05,19.55)
Net-(D7-GK): length 5.4
  Top w0.3: D7.4 70.35,23.6 v1(72.05,21.9)
  Bottom w0.3: v1(72.05,21.9) 72.3,21.9 72.55,22.15 72.55,22.75 72.29,23.01 U33.6
Net-(D7-RA): length 2
  Top w0.3: v1(68.95,19.7) D7.2
  Bottom w0.3: v1(68.95,19.7) 68.45,19.2 R31.2
Net-(D7-RK): length 8.4
  Top w0.3: v1(71,22.05) 70.17,22.05 68.95,23.27 D7.5
  SIGNAL.Cu w0.3: v1(74,25.15) 74,25.05 v1(71,22.05)
  Bottom w0.3: U33.3 74,25.8 v1(74,25.15)
Net-(D8-BA): length 1.6
  Top w0.3: D8.1 63.25,21.1 v1(63.1,21.1)
  Bottom w0.3: v1(63.1,21.1) 63.05,21.15 R58.2
Net-(D8-BK): length 3.7
  Top w0.3: v1(63.65,25.85) 63.5,25.7 D8.6
  Bottom w0.3: v1(63.65,25.85) 63.65,26.5 63.39,26.76 U31.3
Net-(D8-GA): length 1.9
  Top w0.3: D8.3 65.4,20.3 v1(65.55,20.15)
  Bottom w0.3: v1(65.55,20.15) 65.55,19.25 R60.2
Net-(D8-GK): length 5.1
  Top w0.3: v1(66.9,24.7) 66.9,24.52 66.23,23.85 D8.4
  Bottom w0.3: U32.3 67.51,27.01 67.2,26.7 67.2,25 v1(66.9,24.7)
Net-(D8-RA): length 1.9
  Top w0.3: D8.2 64.45,19.95 v1(64.3,19.8)
  Bottom w0.3: v1(64.3,19.8) 64.3,19.2 R59.2
Net-(D8-RK): length 1.8
  Top w0.3: v1(64.6,24.75) 64.6,24 D8.5
  Bottom w0.3: v1(64.6,24.75) 64.95,25.1 U31.6
Net-(D25-K): length 7.9
  Top w0.15: v1(29.75,25.55) 29.7,25.5 D25.2 ; v1(34.3,27) 34.1,27 33.35,27.75 v1(31.6,27.75)
  Bottom w0.15: R94.1 34.3,26.75 v1(34.3,27) ; v1(31.6,27.75) 30.47,27.75 30.16,27.44 30.16,25.96 v1(29.75,25.55)
